# KiCad board reg.kicad_pcb (continued)
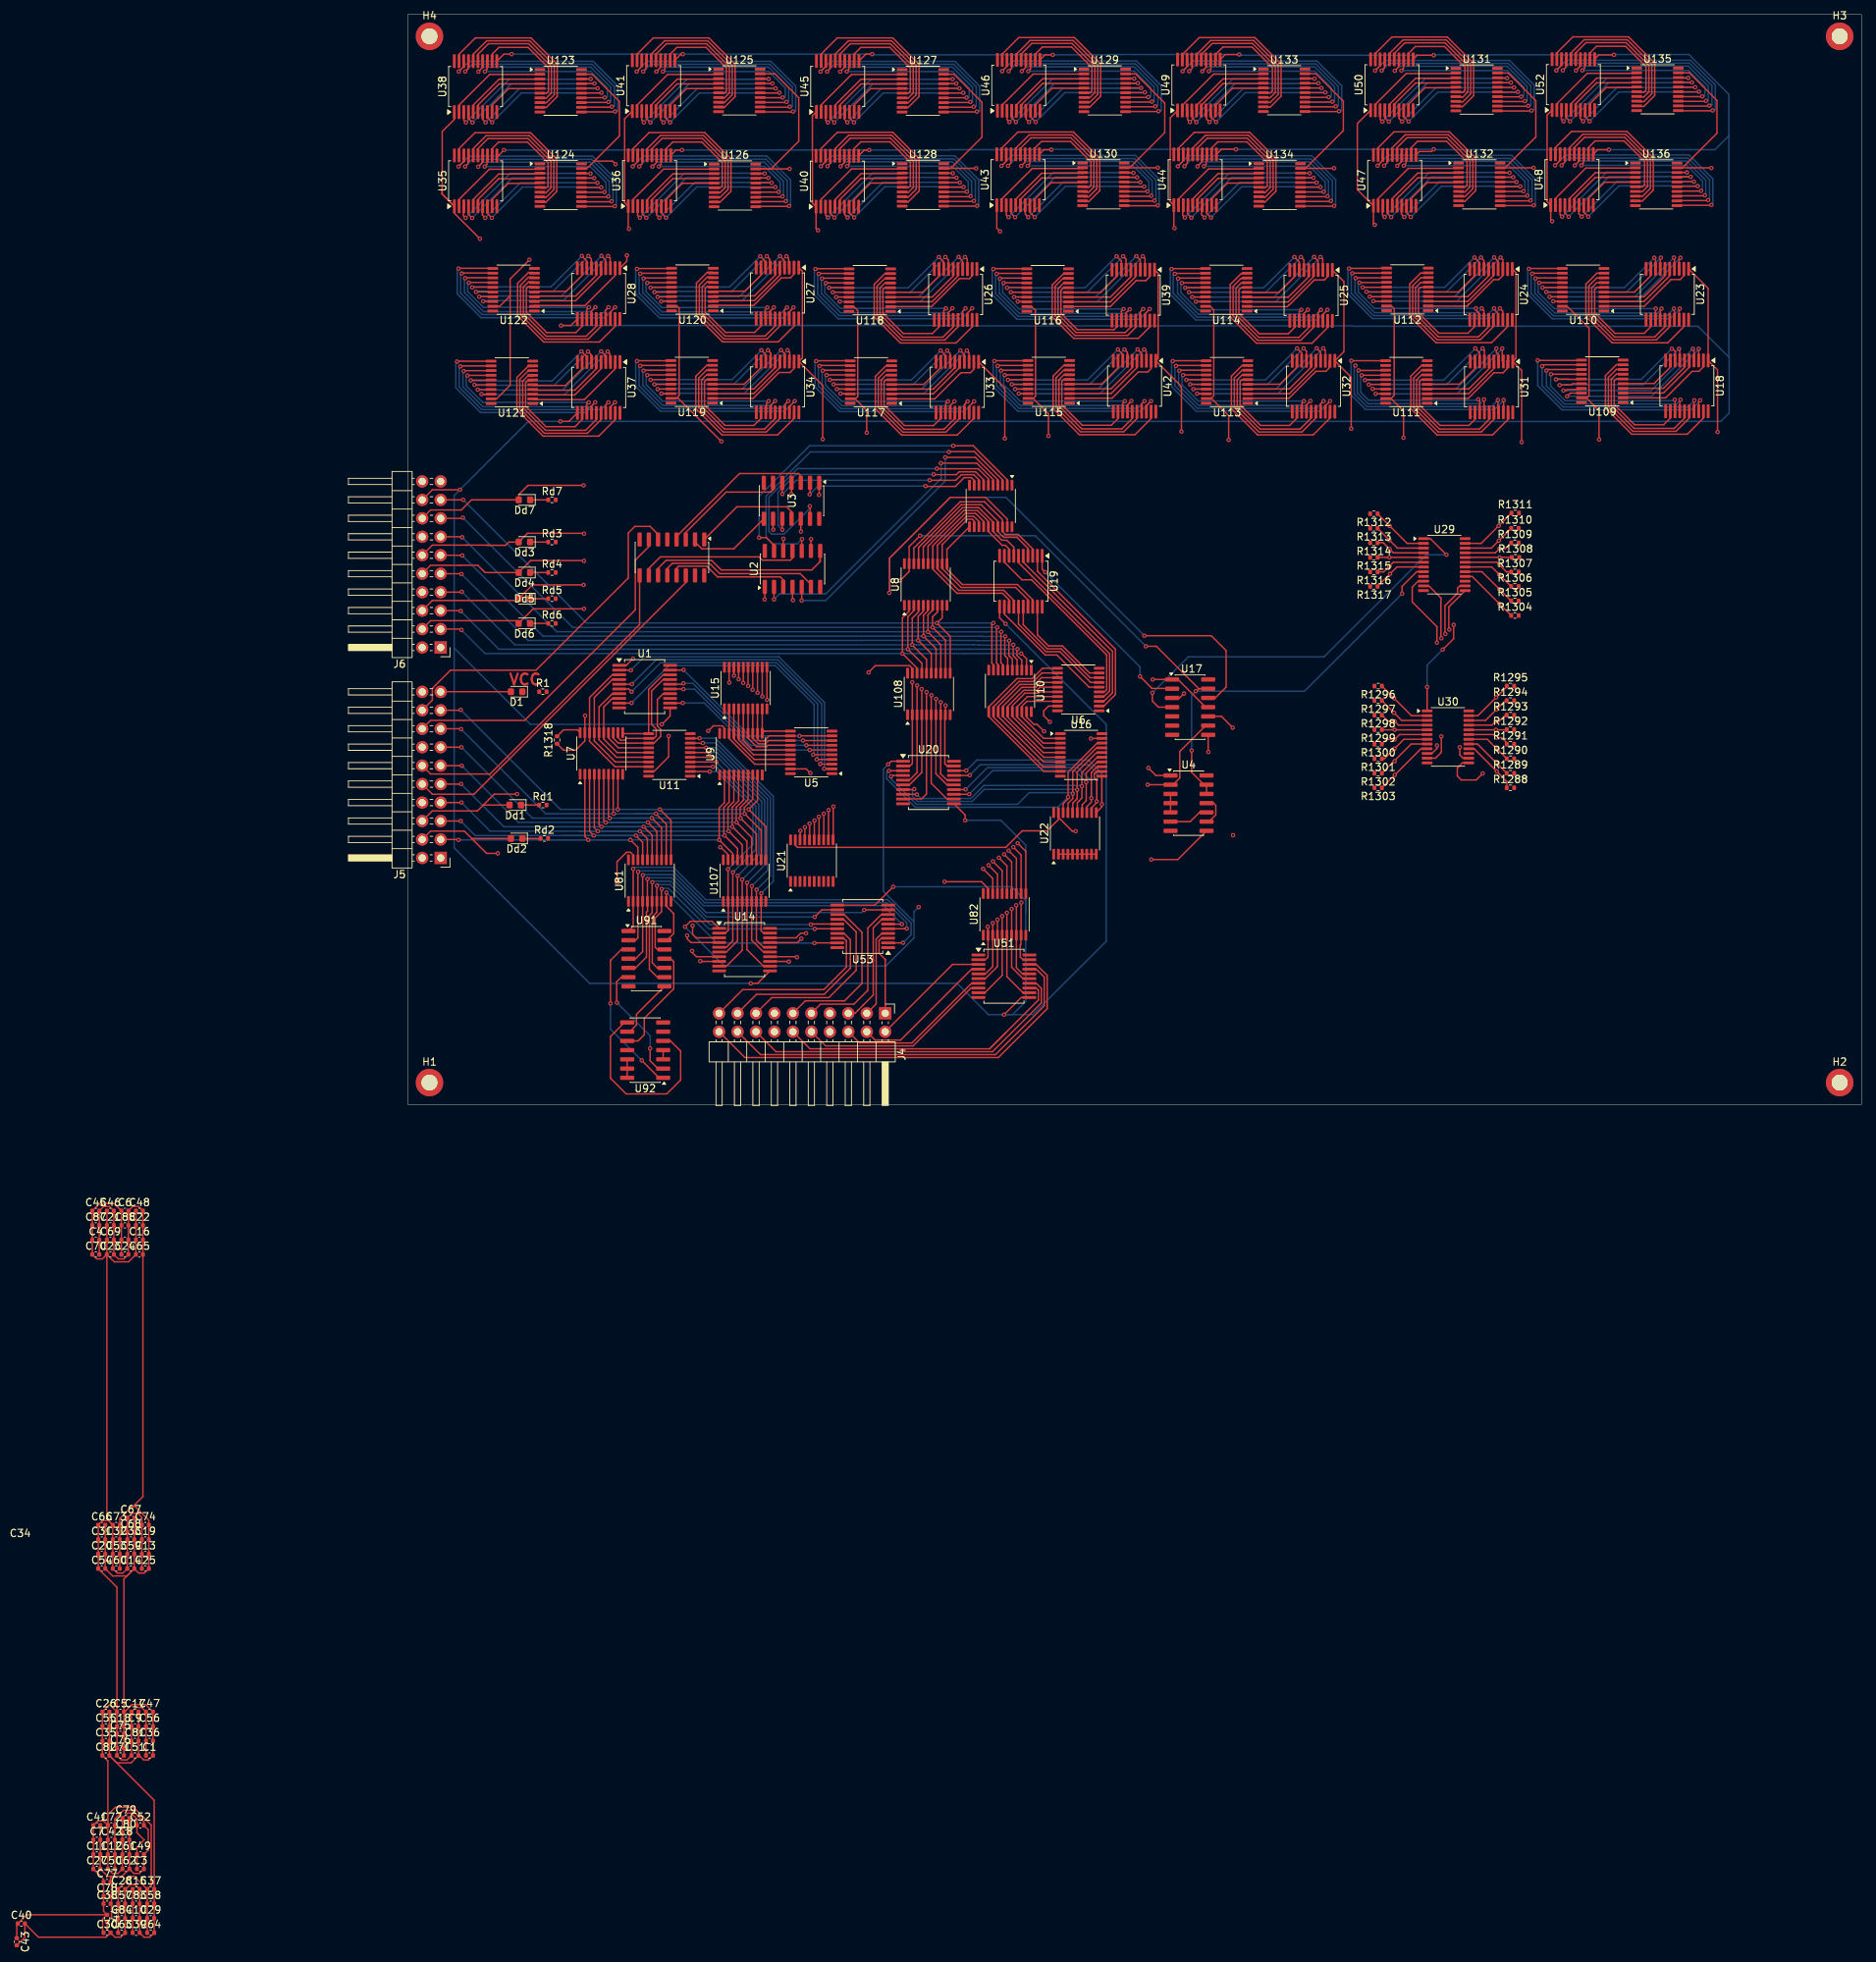
[diagram p0: board, top side]
## Routing (per net, layer and track width the routed paths; a pad name or vN(x,y) marks a point on that pad's centre or on a via; arc(x,y) is an arc through that point) (continued)
  In3.Cu w0.2: v1(7.44,114.36) 6.82,114.36 5.9,115.28 5.9,121.67 8.26,124.03 8.28,124.03 8.55,124.3 v1(28.05,124.3)
  In4.Cu w0.2: v1(7.6,80.75) 8.25,81.4 8.25,85 0.7,92.55 0.7,110.36 4.7,114.36 v1(7.44,114.36) 154.67,114.36 v1(154.69,114.34) ; v1(83.32,35.4) 83.31,35.41 83.31,54.6 72.26,65.65 v1(72.21,65.65) ; v1(178.91,124.46) 154.53,124.46 v1(154.49,124.42) 138.57,124.42 138.55,124.39 112.53,124.39 112.48,124.34 86.34,124.34 86.31,124.32 28.07,124.32 v1(28.05,124.3) ; 105.38,114.16 v1(105.53,114.31) ; 129.89,114.31 v1(129.95,114.37)
  Bottom w0.2: 31.97,114.42 31.83,114.28 31.83,111.63 34.78,108.68 51.18,108.68 v1(52.18,109.68) ; 154.54,124.45 154.68,124.59 154.68,127.24 151.72,130.19 135.33,130.19 v1(134.33,129.19) ; 77.96,124.38 78.1,124.52 78.1,127.17 75.14,130.12 58.75,130.12 v1(57.75,129.12) ; v1(7.6,80.75) 22.7,65.65 v1(72.21,65.65) 81.11,65.65 v1(81.11,65.66) ; v1(82.59,129.17) 83.59,130.17 99.99,130.17 102.94,127.22 102.94,124.57 102.8,124.43 ; 7.43,114.45 7.29,114.31 7.29,111.66 10.24,108.71 26.63,108.71 v1(27.63,109.71) ; v1(125.65,109.36) 124.65,108.36 108.6,108.36 105.31,111.64 105.31,114.09 v1(105.53,114.31) ; v1(81.02,114.31) 80.88,114.17 80.88,111.57 83.99,108.47 100.19,108.47 v1(101.19,109.47) ; v1(158.75,129.24) 159.75,130.24 176.14,130.24 179.1,127.29 179.1,124.64 178.96,124.5 ; v1(106.85,129.12) 107.85,130.12 124.24,130.12 127.2,127.17 127.2,124.51 127.06,124.37 ; 52.07,124.35 52.21,124.49 52.21,127.14 49.26,130.09 32.86,130.09 v1(31.86,129.09) ; v1(174.2,109.53) 173.2,108.53 157.62,108.53 154.55,111.59 154.55,114.2 v1(154.69,114.34) ; v1(129.95,114.37) 129.81,114.23 129.81,111.63 132.88,108.56 148.46,108.56 v1(149.46,109.56) ; v1(76.75,109.56) 75.75,108.56 59.36,108.56 56.41,111.51 56.41,114.17 v1(56.55,114.31) ; v1(7.9,129.07) 8.9,130.07 25.29,130.07 28.25,127.12 28.25,124.47 28.11,124.33
/data15: length 995.8
  Top w0.2: 27.86,107.93 27.86,109.04 v1(28.53,109.71) ; v1(133.43,129.19) 134.1,129.86 134.1,130.98 ; v1(103.19,123.73) 103.14,123.68 98.59,123.68 ; 125.88,107.58 125.88,108.69 v1(126.55,109.36) ; 52.41,107.89 52.41,109.01 v1(53.08,109.68) ; 31.63,130.88 31.63,129.76 v1(30.96,129.09) ; v1(28.5,123.63) 28.45,123.58 23.9,123.58 ; U23.18 174.92,109.44 v1(175,109.53) ; v1(154.25,115) 154.3,115.05 U110.11 ; v1(80.58,114.98) 80.63,115.03 85.18,115.03 ; v1(7,115.03) 7.05,115.08 11.6,115.08 ; U8.9 73.54,66.97 v1(72.81,66.25) 74.64,64.42 74.64,59.35 ; 57.52,130.91 57.52,129.79 v1(56.85,129.12) ; v1(154.93,123.75) 154.88,123.7 150.33,123.7 ; v1(105.09,114.97) 105.14,115.02 109.69,115.02 ; 101.42,107.68 101.42,108.8 v1(102.09,109.47) ; J6.17 v1(7.65,83.2) ; 158.52,131.02 158.52,129.91 v1(157.85,129.24) ; 73.75,123.63 78.3,123.63 v1(78.35,123.68) ; v1(179.35,123.8) 179.3,123.75 174.75,123.75 ; v1(127.45,123.67) 127.4,123.63 122.85,123.63 ; 150.66,107.91 150.66,109.16 v1(150.26,109.56) ; v1(105.95,129.12) 106.62,129.79 106.62,130.9 ; 129.46,115.01 129.51,115.06 134.06,115.06 ; 60.7,115.02 56.15,115.02 v1(56.1,114.97) ; 80.59,59.78 80.59,60.51 80.36,60.74 80.36,66.04 v1(80.58,66.25) ; v1(81.69,129.17) 82.36,129.84 82.36,130.96 ; v1(77.65,109.56) 76.98,108.89 76.98,107.78 ; v1(83.91,35.95) 85.04,34.82 U82.11 ; v1(52.46,123.65) 52.42,123.6 47.86,123.6 ; 7.67,130.86 7.67,129.74 v1(7,129.07) ; 36.15,115.04 31.59,115.04 v1(31.54,114.99)
  In3.Cu w0.2: v1(7,115.03) 6.3,115.73 6.3,121.5 8.43,123.63 v1(28.5,123.63)
  In4.Cu w0.2: v1(28.5,123.63) 57.96,123.63 58.01,123.68 86.78,123.68 86.83,123.73 112.98,123.73 113.03,123.67 139.05,123.67 139.12,123.75 167.4,123.75 ; v1(179.35,123.8) 179.3,123.75 v1(154.93,123.75) ; v1(72.81,66.25) 83.91,55.15 v1(83.91,35.95) ; 104.94,114.83 v1(105.09,114.97) 105.15,115.04 ; v1(7.65,83.2) 7.8,83.35 7.8,84.85 0.3,92.35 0.3,111.07 4.26,115.03 v1(7,115.03) 154.25,115.03
  Bottom w0.2: 154.98,123.78 155.14,123.94 155.14,127.35 151.85,130.63 134.87,130.63 v1(133.43,129.19) ; v1(80.58,114.98) 80.42,114.82 80.42,111.46 83.82,108.07 100.69,108.07 v1(102.09,109.47) ; 103.24,123.76 103.4,123.92 103.4,127.33 100.12,130.61 83.13,130.61 v1(81.69,129.17) ; 80.6,66.24 80.59,66.25 v1(72.81,66.25) 24.6,66.25 v1(7.65,83.2) ; v1(56.85,129.12) 58.29,130.56 75.27,130.56 78.56,127.28 78.56,123.87 78.4,123.71 ; v1(77.65,109.56) 76.22,108.12 59.23,108.12 55.95,111.41 55.95,114.81 v1(56.1,114.97) ; v1(28.53,109.71) 27.1,108.27 10.11,108.27 6.83,111.56 6.83,114.96 6.98,115.12 ; v1(150.26,109.56) 150.26,109.51 148.91,108.16 132.71,108.16 129.35,111.52 129.35,114.88 v1(129.51,115.04) ; v1(175,109.53) 175,109.48 173.65,108.12 157.46,108.12 154.09,111.49 154.09,114.85 v1(154.25,115) ; 179.4,123.83 179.56,123.99 179.56,127.39 176.27,130.68 159.29,130.68 v1(157.85,129.24) ; 31.53,115.09 31.37,114.93 31.37,111.52 34.65,108.24 51.64,108.24 v1(53.08,109.68) ; v1(105.95,129.12) 107.39,130.55 124.37,130.55 127.66,127.27 127.66,123.86 127.5,123.71 ; v1(7,129.07) 8.44,130.51 25.42,130.51 28.71,127.23 28.71,123.82 28.55,123.66 ; v1(126.55,109.36) 125.15,107.96 108.43,107.96 104.91,111.48 104.91,114.8 v1(105.09,114.97) ; 52.51,123.68 52.67,123.84 52.67,127.25 49.39,130.53 32.4,130.53 v1(30.96,129.09)
/ID_REG_SEL_0: length 177.1
  Top w0.2: J6.4 3.15,66.57 14.89,66.57 Dd6.2 17.26,68.2 24.25,68.2 v1(24.25,68.2) ; v1(141.6,63.55) 141.6,65.75 138.2,69.15 138.2,71.2 139.01,72.01 U29.10 140.41,72.01 ; v1(141.6,49.4) 141.6,48.99 140.91,48.3 U30.10
  In2.Cu w0.2: v1(141.6,49.4) v1(141.6,63.55)
  In3.Cu w0.2: v1(24.25,68.2) 31.85,75.8 97.14,75.8 109.39,63.55 v1(141.6,63.55)
/ID_REG_SEL_1: length 175.6
  Top w0.2: U29.11 140.49,71.36 142.15,69.7 142.15,64.2 v1(142.2,64.15) ; J6.6 3.39,69.35 15.01,69.35 ; Dd5.2 17.16,71.5 v1(24.2,71.5) ; U30.11 141.4,47.65 142.2,48.45 v1(142.2,50.65)
  In2.Cu w0.2: v1(142.2,50.65) 143.05,51.5 143.05,63.3 v1(142.2,64.15)
  In3.Cu w0.2: v1(142.2,64.15) 109.9,64.15 97.85,76.2 31.68,76.2 31.48,76 28.7,76 v1(24.2,71.5)
/ID_REG_SEL_2: length 175.1
  Top w0.2: J6.10 3.15,74.19 7.21,74.19 7.22,74.2 9.65,74.2 10.65,73.2 Dd4.2 16.92,74.85 24.2,74.85 v1(24.25,74.8) ; v1(144.75,49.16) 144.75,48.09 145.18,47.65 U30.14 ; v1(142.75,64.75) 142.7,64.8 142.7,68.63 144.44,70.37 144.44,71.06 144.74,71.36 U29.14
  In2.Cu w0.2: v1(144.75,49.16) 144.75,49.16 144.75,62.75 v1(142.75,64.75)
  In3.Cu w0.2: v1(24.25,74.8) 25.65,76.2 28.33,76.2 28.53,76.4 31.32,76.4 31.52,76.6 98.6,76.6 110.4,64.8 142.7,64.8 v1(142.75,64.75)
/ID_REG_SEL_3: length 183.7
  Top w0.2: 8,76.97 11.08,76.97 11.1,76.95 ; 8,76.97 8.17,76.97 8.19,76.95 ; 8,76.97 3.39,76.97 J6.12 ; 11.1,76.95 13.48,76.95 13.92,77.4 Dd3.2 16.48,78.61 24.19,78.61 v1(24.25,78.55) ; 11.1,76.95 10.86,76.95 ; U30.13 145.1,47 144.4,46.3 144.4,45.2 144.95,44.65 147,44.65 v1(147.9,45.55) ; v1(143.3,65.35) 143.24,65.41 143.24,68.47 U29.13
  In2.Cu w0.2: v1(147.9,45.55) 147.9,60.75 v1(143.3,65.35)
  In3.Cu w0.2: v1(143.3,65.35) 111,65.35 99.35,77 31.35,77 31.2,76.85 25.95,76.85 v1(24.25,78.55)
/INT: length 49.9
  Top w0.2: U85.14 38.26,71.83 9.12,42.69 3.39,42.69 J5.10
/Interupt_ID_0: length 45.7
  Top w0.2: J5.12 3.15,45.47 11.34,45.47 31.91,66.04 U85.9
/Interupt_ID_1: length 46.6
  Top w0.2: U85.7 33.18,76.78 31.31,74.91 31.31,68.06 16.1,52.85 3.15,52.85 J5.16
/Interupt_ID_2: length 48.7
  Top w0.2: U85.6 34.45,78.45 33.35,79.55 31.25,79.55 30.35,78.65 30.35,72.45 17.66,59.76 5.89,59.76 3.39,57.26 3.39,55.63 J5.18
/IO0: length 11.7
  Top w0.2: J4.1 65.7,19.9 65.7,19.9 65.7,19.95 64.85,20.8 64.85,22.55 65.17,22.88 U53.3
/IO1: length 12.7
  Top w0.2: J4.3 64.45,13.83 64.45,22.75 65.22,23.53 U53.4
/IO2: length 16.7
  Top w0.2: U53.7 65.23,25.47 64.05,24.29 64.05,20 ; J4.5 61.54,12.54 62.01,13.01 62.01,13.02 62.68,13.69 62.69,13.69 64.05,15.05 64.05,20 ; 64.05,20 64.05,19.75 64.05,19.9
/IO3: length 21.2
  Top w0.2: U53.8 65.15,26.12 63.3,24.27 63.3,15.7 61.4,13.8 56.8,13.8 J4.9
/IO4: length 22.6
  Top w0.2: J4.11 54.71,14.25 60.1,14.25 62.5,16.65 62.5,19.95 62.5,23.68 60.05,26.12 U53.13
/IO5: length 24.8
  Top w0.2: J4.15 50.08,14.7 57.95,14.7 61.7,18.45 61.7,23.74 59.97,25.47 U53.14
/IO6: length 24.2
  Top w0.2: J4.17 47.99,15.15 57.3,15.15 60.9,18.75 60.9,22.67 60.05,23.53 U53.17
/IO7: length 25.1
  Top w0.2: U53.18 59.97,22.88 60.35,22.49 60.35,18.9 57.25,15.8 46.1,15.8 J4.19
/IO8: length 17.5
  Top w0.2: 77.66,19.26 U51.3 74.96,19.26 J4.2
/IO9: length 19.9
  Top w0.2: U51.4 77.58,18.61 67.81,8.85 64.31,8.85 J4.4
/IO10: length 21.9
  Top w0.2: J4.6 62.17,8.45 69.36,8.45 77.58,16.66 U51.7
/IO11: length 27.1
  Top w0.2: U51.8 77.49,16.01 69.53,8.05 57.49,8.05 J4.10
/IO12: length 43.5
  Top w0.2: U51.13 86.47,16.01 86.77,15.71 86.77,14.36 80.06,7.65 ; J4.12 55.35,7.65 80.06,7.65 ; 80.06,7.65 82.36,9.95
/IO13: length 47.1
  Top w0.2: U51.14 86.47,16.66 87.17,15.96 87.17,13.96 80.46,7.25 50.67,7.25 J4.16
/IO14: length 52.7
  Top w0.2: U51.17 86.47,18.61 87.57,17.51 87.57,13.56 80.86,6.85 48.53,6.85 J4.18
/IO15: length 57.1
  Top w0.2: U51.18 86.47,19.26 87.97,17.76 87.97,13.16 81.26,6.45 46.39,6.45 J4.20
/mask_restore: length 186
  Top w0.2: v1(87.55,51.35) 86.6,52.3 86.15,52.3 85.14,53.31 U10.19 ; 43.58,51.06 43.58,51.8 43.27,52.1 42.05,52.1 v1(41.35,51.4) ; 8.8,36.6 10.85,34.55 v1(12.4,34.55) ; 8.8,36.6 7.79,37.61 3.15,37.61 J5.4 ; 8.8,36.6 Dd2.2 ; v1(101.8,44) U4.2 105.3,44 106.22,44.93 106.22,48.58 109.78,52.13 U17.9
  In3.Cu w0.2: 77.7,38.35 87.6,48.25 87.6,51.3 v1(87.55,51.35) ; 77.7,38.35 73.9,34.55 v1(12.4,34.55) 21.32,34.55 38.17,51.4 v1(41.35,51.4) ; 77.7,38.35 84.5,45.15 98.05,45.15 99.2,44 v1(101.8,44)
/mask_save: length 147
  Top w0.2: v1(15.05,42.7) 11.9,42.7 10.4,41.2 ; v1(101.9,46.3) 102.93,45.27 U4.1 ; U15.19 44.22,58.08 v1(44.25,58.05) ; v1(94,50.35) 94.03,50.38 U16.19 ; U17.11 109.78,54.67 105.97,58.48 U17.1 v1(102.5,58.48) ; 10.4,41.2 9.59,40.39 3.39,40.39 J5.6 ; 10.4,41.2 Dd1.2
  In3.Cu w0.2: v1(44.25,58.05) 28.9,42.7 v1(15.05,42.7) ; v1(44.25,58.05) 44.1,58.2 ; v1(44.25,58.05) 44.25,59.2 45.1,60.05 84.3,60.05 v1(94,50.35) ; v1(94,50.35) 102.13,58.48 v1(102.5,58.48) ; v1(94,50.35) 97.85,50.35 v1(101.9,46.3)
/mask_saved0: length 41.8
  Top w0.2: v1(57.3,46.2) 57.33,46.17 U5.2 ; U1.2 30.67,59.78 v1(30.7,59.75)
  Bottom w0.2: v1(30.7,59.75) 32.55,61.6 51.05,61.6 57.35,55.3 57.35,46.25 v1(57.3,46.2)
/mask_saved1: length 41.8
  Top w0.2: v1(56.75,46.85) 56.78,46.83 U5.3 ; v1(30.85,57.85) 30.83,57.83 U1.5
  Bottom w0.2: v1(30.85,57.85) 34.2,61.2 50.88,61.2 56.95,55.13 56.95,47.05 v1(56.75,46.85)
/mask_saved2: length 41.3
  Top w0.2: U5.4 56.28,47.47 v1(56.27,47.49) ; U1.6 30.42,57.17 v1(30.8,56.8)
  Bottom w0.2: v1(56.27,47.49) 56.39,47.61 56.39,55.13 50.72,60.8 34.8,60.8 v1(30.8,56.8)
/mask_saved3: length 40.7
  Top w0.2: v1(55.79,48.13) 55.8,48.12 U5.5 ; U1.9 30.77,55.22 v1(30.8,55.25)
  Bottom w0.2: v1(30.8,55.25) 35.95,60.4 50.55,60.4 55.91,55.04 55.91,48.25 v1(55.79,48.13)
/mask_saved4: length 25
  Top w0.2: U1.12 37.83,55.22 v1(37.85,55.25) ; v1(55.31,48.77) 55.31,48.78 U5.6
  Bottom w0.2: v1(55.31,48.77) 47.28,48.77 40.8,55.25 v1(37.85,55.25)
/mask_saved5: length 25.5
  Top w0.2: v1(54.85,49.42) 54.85,49.42 U5.7 ; U1.15 37.92,57.17 v1(37.95,57.15)
  Bottom w0.2: v1(37.95,57.15) 39.47,57.15 47.2,49.42 v1(54.85,49.42)
/mask_saved6: length 25.6
  Top w0.2: v1(54.39,50.08) 54.4,50.08 U5.8 ; v1(37.95,57.95) 37.82,57.83 U1.16
  Bottom w0.2: v1(54.39,50.08) 47.1,50.08 39.23,57.95 v1(37.95,57.95)
/mask_saved7: length 26.1
  Top w0.2: U1.19 37.92,59.78 v1(37.95,59.8) ; 58.38,50.72 53.91,50.72 v1(53.89,50.71)
  Bottom w0.2: v1(37.95,59.8) 47.04,50.71 v1(53.89,50.71)
/mask_saved8: length 26.4
  Top w0.2: U6.2 95.78,54.83 97.36,56.41 97.36,62.65 86.64,73.38 U19.2
/mask_saved9: length 26.3
  Top w0.2: U6.3 95.78,55.47 96.96,56.66 96.96,62.36 84.69,74.63 U19.5
/mask_saved10: length 25.5
  Top w0.2: U6.4 95.78,56.12 96.56,56.91 96.56,62.03 84.04,74.55 U19.6
/mask_saved11: length 26.2
  Top w0.2: U19.9 82.09,74.62 84.51,72.2 85.82,72.2 96.16,61.86 96.16,57.08 95.86,56.78 95.12,56.78
/mask_saved12: length 18.2
  Top w0.2: U6.6 93.74,57.42 89.31,61.85 87.71,61.85 82.09,67.47 U19.12
/mask_saved13: length 16.8
  Top w0.2: U19.15 84.04,66.09 87.83,62.3 89.74,62.3 93.97,58.08 95.12,58.08
/mask_saved14: length 15.9
  Top w0.2: U19.16 84.69,66.01 87.99,62.7 89.91,62.7 93.88,58.72 U6.8
/mask_saved15: length 14.5
  Top w0.2: U19.19 86.64,64.62 88.16,63.1 90.08,63.1 93.8,59.38 U6.9
/octal_nand/out_0: length 22.7
  Top w0.2: U2.11 52.94,75.2 52.64,74.9 48.79,74.9 48.34,75.35 34.75,75.35 33.18,73.77 U85.10
/octal_nand/out_1: length 26.6
  Top w0.2: U2.8 56.75,74.72 55.58,73.55 43.13,73.55 41.8,74.88 35.55,74.88 34.45,73.77 U85.11 ; 56.75,74.67 56.75,75.08
/octal_nand/out_2: length 22.6
  Top w0.2: 55.48,71.22 55.48,71.57 54,73.05 42.93,73.05 41.5,74.47 36.42,74.47 35.72,73.77 U85.12
/octal_nand/out_3: length 17.5
  Top w0.2: 51.67,71.22 51.67,72.2 51.27,72.6 42.62,72.6 41.14,74.08 37.29,74.08 36.99,73.77 U85.13
/octal_nand/out_4: length 15.1
  Top w0.2: U85.1 45.3,82.25 52.13,82.25 52.81,81.57 U3.11
/octal_nand/out_5: length 11.9
  Top w0.2: U3.8 44.87,76.47 40.46,76.47 39.53,77.4 U85.2
/octal_nand/out_6: length 16.4
  Top w0.2: U85.3 38.26,78.72 43.81,84.28 49.97,84.28 50.27,84.58 U3.6
/octal_nand/out_7: length 22.2
  Top w0.2: U3.3 54.08,86.52 53.78,86.83 45.65,86.83 36.99,78.16 U85.4
/OUT_1_2: length 84.7
  Top w0.2: U23.1 178.91,112.31 U18.1 180.2,101.1 v1(180.2,92.55) ; R1317.1 133.43,71.31 v1(135.15,73.03) 136.09,73.96 U29.7
  In2.Cu w0.2: v1(180.2,92.55) 177.3,89.65 159.05,89.65 144.15,74.75 143.05,74.75 141.32,73.03 v1(135.15,73.03)
/OUT_1_3: length 56.8
  Top w0.2: U24.1 152.46,114.47 152.46,102.69 U31.1 153.25,101.03 v1(153.25,91.15) ; U29.6 135.59,74.61 v1(135.07,74.1) 134.26,73.29 R1316.1
  In2.Cu w0.2: v1(135.07,74.1) 148.97,88 150.1,88 v1(153.25,91.15)
/OUT_1_4: length 54.4
  Top w0.2: U25.1 128.8,113.25 128.8,103.59 U32.1 129.8,100.09 v1(129.8,93) ; 139.81,75.29 v1(135.06,75.29) 133.41,75.29
  In2.Cu w0.2: v1(129.8,93) 129.8,92.08 140.05,81.83 140.05,80.55 135.06,75.56 v1(135.06,75.29)
/OUT_1_5: length 75.8
  Top w0.2: U29.4 135.61,75.91 v1(135.09,76.44) 134.21,77.31 133.46,77.31 R1314.1 ; U39.1 103.25,114.38 103.25,102.67 U42.1 106.45,98.82 v1(106.45,92.6)
  In2.Cu w0.2: v1(106.45,92.6) 110,89.05 132.27,89.05 139.65,81.67 139.65,81 v1(135.09,76.44)
/OUT_1_6: length 84.7
  Top w0.2: U33.1 82.15,98.59 v1(82.15,91.65) ; U29.3 136.16,76.56 v1(135.06,77.66) R1313.1
  In2.Cu w0.2: v1(135.06,77.66) 137.25,79.85 137.25,83.5 132.95,87.8 85.95,87.8 82.15,91.6 v1(82.15,91.65)
/OUT_1_7: length 116.4
  Top w0.2: U27.1 54.3,114.67 54.3,102.73 U34.1 57.1,98.96 v1(57.1,91.55) ; R1312.1 v1(135.11,79.61) 137.51,77.21 U29.2
  In2.Cu w0.2: v1(57.1,91.55) 69.04,79.61 v1(135.11,79.61)
/OUT_1_8: length 219.8
  Top w0.2: U29.23 147.68,77.21 v1(150.08,79.62) R1311.1 ; U28.1 30.15,116.05 v1(30.15,116.85)
  In2.Cu w0.2: v1(150.08,79.62) 159.72,89.25 177.95,89.25 181.1,92.4 181.1,112.1 175.6,117.6 30.85,117.6 30.15,116.9 v1(30.15,116.85)
/OUT_1_9: length 262.8
  Top w0.2: U35.1 6.42,122.66 v1(9.94,119.14) ; U35.1 4.75,125.28 4.75,133.9 6.42,135.57 U38.1 ; U35.1 4.7,125.33 4.7,126.05 ; U29.22 149.09,76.56 v1(150.11,77.59) R1310.1
  In2.Cu w0.2: v1(9.94,119.14) 11.08,118 175.77,118 181.5,112.27 181.5,92.23 177.67,88.4 160.93,88.4 v1(150.11,77.59)
/OUT_1_10: length 237.1
  Top w0.2: v1(30.45,120.5) 30.35,120.6 U36.1 29.85,124.13 29.85,135.64 U41.1 ; U29.21 149.64,75.91 v1(150.21,76.49) 151.01,76.49 R1309.1
  In2.Cu w0.2: v1(150.21,76.49) 161.72,88 177.83,88 181.9,92.07 181.9,112.43 175.93,118.4 32.55,118.4 v1(30.45,120.5)
/OUT_1_11: length 212
  Top w0.2: U29.20 145.5,75.29 v1(150.21,75.29) R1308.1 ; U45.1 55.68,136.05 55.68,124.06 U40.1 56.18,120.57 v1(56.45,120.3)
  In2.Cu w0.2: v1(150.21,75.29) 162.53,87.6 178,87.6 182.3,91.9 182.3,112.6 176.1,118.8 57.95,118.8 v1(56.45,120.3)
/OUT_1_12: length 175.7
  Top w0.2: U29.19 149.84,74.61 v1(150.21,74.24) 151.16,73.29 R1307.1 ; U43.1 81.05,120.6 v1(81.5,120.15)
  In2.Cu w0.2: v1(150.21,74.24) 163.18,87.2 178.16,87.2 182.7,91.74 182.7,112.76 176.26,119.2 82.4,119.2 81.5,120.1 v1(81.5,120.15)
/OUT_1_13: length 167.1
  Top w0.2: R1306.1 v1(150.16,72.94) 149.14,73.96 U29.18 ; U49.1 104.91,135.79 104.91,124.25 U44.1 105.41,120.69 v1(105.5,120.6)
  In2.Cu w0.2: v1(105.5,120.6) 106.5,119.6 176.43,119.6 183.1,112.93 183.1,91.57 178.33,86.8 164.03,86.8 v1(150.16,72.94)
/OUT_1_14: length 142.8
  Top w0.2: U50.1 130.65,135 130.65,125.89 U47.1 132.86,121.24 v1(133.05,121.05) ; U29.17 147.79,73.31 v1(150.16,70.94) R1305.1
  In2.Cu w0.2: v1(133.05,121.05) 134.1,120 176.59,120 183.5,113.09 183.5,91.41 178.39,86.3 165.53,86.3 v1(150.16,70.94)
/OUT_1_15: length 119.3
  Top w0.2: U52.1 156.75,136.16 156.75,124.28 U48.1 157.25,121.75 v1(157.45,121.55) ; U29.16 146.44,72.66 v1(150.16,68.94) R1304.1
  In2.Cu w0.2: v1(150.16,68.94) 167.12,85.9 178.56,85.9 183.9,91.24 183.9,113.26 176.76,120.4 158.6,120.4 v1(157.45,121.55)
/OUT_5_0: length 55.6
  Top w0.2: U53.2 68.12,22.22 v1(68.15,22.25) ; U91.1 31.02,24.51 U81.2 31.02,32.41 v1(31.01,32.43)
  Bottom w0.2: v1(68.15,22.25) 69.25,23.35 69.25,24.96 66.06,28.15 41.03,28.15 36.57,32.61 31.2,32.61 v1(31.01,32.43)
/OUT_5_1: length 53.9
  Top w0.2: v1(31.69,32.01) 31.67,31.99 U81.3 31.67,22.92 31.35,22.59 U91.2 ; U53.5 68.33,24.18 68.35,24.2 v1(68.65,24.2)
  Bottom w0.2: v1(68.65,24.2) 68.65,25 65.9,27.75 40.86,27.75 36.46,32.15 31.84,32.15 v1(31.69,32.01)
/OUT_5_2: length 53.3
  Top w0.2: v1(68,24.8) 66.12,24.8 U53.6 ; U91.4 31.35,20.05 32.33,21.03 U81.4 32.33,31.53 v1(32.35,31.55)
  Bottom w0.2: v1(68,24.8) 65.45,27.35 40.7,27.35 36.42,31.63 32.43,31.63 v1(32.35,31.55)
/OUT_5_3: length 49.2
  Top w0.2: U91.5 31.35,18.78 32.85,20.28 32.85,26.45 33,26.6 33,27.91 32.98,27.94 32.98,31.02 v1(32.98,31.03) ; v1(62.8,26.75) 62.83,26.78 U53.9
  Bottom w0.2: v1(62.8,26.75) 62.45,26.4 41.08,26.4 36.3,31.19 33.14,31.19 v1(32.98,31.03)
/OUT_5_4: length 42.6
  Top w0.2: U91.9 34.35,17.51 33.25,18.61 33.25,25.98 33.62,26.36 U81.6 33.62,30.56 v1(33.65,30.59) ; v1(56,25.8) 56.97,26.78 U53.12
  Bottom w0.2: v1(33.65,30.59) 33.77,30.71 36.21,30.71 41.12,25.8 v1(56,25.8)
/OUT_5_5: length 40
  Top w0.2: v1(55.47,24.75) 55.6,24.75 55.67,24.82 U53.15 ; v1(34.29,30.11) 34.27,30.09 U81.7 34.27,26.44 33.65,25.82 33.65,19.48 34.35,18.78 U91.10
  Bottom w0.2: v1(55.47,24.75) 41.6,24.75 36.1,30.25 34.44,30.25 v1(34.29,30.11)
/OUT_5_6: length 36.3
  Top w0.2: U91.12 34.35,21.32 34.05,21.62 34.05,25.65 34.92,26.53 U81.8 34.92,29.62 v1(34.95,29.65) ; U53.16 56.08,24.18 56.05,24.15 v1(56,24.15)
  Bottom w0.2: v1(34.95,29.65) 35.05,29.75 35.85,29.75 41.45,24.15 v1(56,24.15)
/OUT_5_7: length 34.1
  Top w0.2: U53.19 55.97,22.22 v1(55.95,22.2) ; v1(35.6,29.15) 35.58,29.12 35.58,27.28 36.6,26.26 36.6,23.52 35.67,22.59 U91.13
  Bottom w0.2: v1(35.6,29.15) 42.55,22.2 v1(55.95,22.2)
/OUT_5_8: length 78.1
  Top w0.2: v1(51.7,77.85) 51.67,77.82 U2.12 ; v1(79.8,24.45) 79.84,24.41 U82.2 79.84,20.28 79.47,19.91 U51.2 ; U51.2 77.66,19.91 ; U51.2 79.39,19.91
  In4.Cu w0.2: v1(51.7,77.85) 48.1,74.25 48.1,69 52.2,64.9 52.2,50.35 78.1,24.45 v1(79.8,24.45)
/OUT_5_9: length 79
  Top w0.2: v1(80.5,24.95) 80.49,24.94 U82.3 80.49,18.98 79.47,17.96 U51.5 ; v1(55.5,77.8) 55.48,77.78 U2.9
  In4.Cu w0.2: v1(80.5,24.95) 80.5,25.5 52.6,53.4 52.6,65.1 48.5,69.2 48.5,70.8 v1(55.5,77.8)
/OUT_5_10: length 67.2
  Top w0.2: v1(81.14,25.43) 81.14,25.43 U82.4 81.14,18.98 79.47,17.31 U51.6 ; 52.94,71.22 52.94,69.46 v1(53,69.4)
  In4.Cu w0.2: v1(53,69.4) 53,53.57 v1(81.14,25.43)
/OUT_5_11: length 82.3
  Top w0.2: v1(49.1,69.5) 49.13,69.53 49.13,71.22 ; v1(81.78,25.91) 81.79,25.9 U82.5 81.79,17.76 79.39,15.36 U51.9 79.47,15.36
  In4.Cu w0.2: v1(49.1,69.5) 53.4,73.8 55.95,73.8 56.85,72.9 56.85,50.84 v1(81.78,25.91)
/OUT_5_12: length 80.2
  Top w0.2: U51.12 84.66,15.36 82.44,17.58 U82.6 82.44,26.37 v1(82.43,26.37) ; U3.12 54.08,78.87 v1(54.1,78.85)
  In4.Cu w0.2: v1(54.1,78.85) 56.5,78.85 57.25,78.1 57.25,51.56 v1(82.43,26.37)
/OUT_5_13: length 86.8
  Top w0.2: U51.15 84.66,17.31 83.09,18.88 U82.7 83.09,26.89 v1(83.1,26.9) ; U3.9 50.27,79.13 v1(50.3,79.1)
  In4.Cu w0.2: v1(83.1,26.9) 83.03,26.97 82.62,26.97 57.65,51.95 57.65,78.58 53.64,82.59 51.59,82.59 50.3,81.3 v1(50.3,79.1)
/OUT_5_14: length 82.3
  Top w0.2: v1(52.8,84) 52.81,84.01 U3.4 ; v1(83.71,27.41) 83.74,27.39 U82.8 83.74,18.8 84.58,17.96 U51.16
  In4.Cu w0.2: v1(52.8,84) 58.05,78.75 58.05,52.11 82.55,27.61 83.51,27.61 v1(83.71,27.41)
/OUT_5_15: length 79.1
  Top w0.2: v1(84.43,27.78) 84.39,27.73 U82.9 84.36,23.26 84.36,22.01 84.27,21.93 84.27,20.29 84.66,19.91 U51.19 ; U3.1 56.62,83.92 v1(56.6,83.9)
  In4.Cu w0.2: v1(56.6,83.9) 58.45,82.05 58.45,52.28 82.71,28.01 84.19,28.01 v1(84.43,27.78)
/OUT_7_0: length 137.1
  Top w0.2: U81.19 31.02,34.32 30.65,34.7 30.11,34.7 28.8,33.39 v1(28.8,30.45) ; U82.19 79.84,29.75 78.94,30.65 v1(73.85,30.65) ; U30.9 139.4,48.95 v1(135.8,45.35) R1303.1
  In2.Cu w0.2: v1(113.55,37.05) 121.85,45.35 v1(135.8,45.35)
  In3.Cu w0.2: v1(135.8,45.35) 135.68,45.47 ; v1(28.8,30.45) 30.8,28.45 71.65,28.45 v1(73.85,30.65) 80.2,37 113.5,37 v1(113.55,37.05)
/OUT_7_1: length 130.9
  Top w0.2: R1302.1 135.67,47.22 v1(135.78,47.22) 135.78,47.33 138.05,49.6 U30.8 ; U108.19 69.42,60.01 69.04,60.39 64.34,60.39 v1(63.4,59.45) ; 44.08,33.65 44.08,34.39 43.06,35.4 v1(43,35.4)
  In2.Cu w0.2: v1(63.4,59.45) 68.55,54.3 128.7,54.3 v1(135.78,47.22)
  In3.Cu w0.2: v1(63.4,59.45) 61.7,57.75 57.7,57.75 41.5,41.55 41.5,36.9 v1(43,35.4)
/OUT_7_2: length 84
  Top w0.2: v1(163.9,91.5) 163.9,95.48 162.14,97.24 U109.19 162.22,97.24 162.52,97.54 162.52,106.84 159.51,109.85 U110.19 ; R1301.1 134.38,47.58 v1(135.78,48.97) 137.05,50.25 U30.7
  In3.Cu w0.2: v1(135.78,48.97) 135.79,48.97 163.9,77.08 v1(163.9,91.5)
/OUT_7_3: length 85.5
  Top w0.2: 135.27,97.15 135.71,97.59 135.71,109.52 135.33,109.9 U112.19 ; 135.27,97.15 U111.19 ; 135.27,97.15 137,95.42 v1(137,91.75) ; R1300.1 134.67,50.22 v1(135.78,50.22) 136.45,50.9 U30.6
  In3.Cu w0.2: v1(135.78,50.22) 136.47,50.22 152.88,66.63 152.88,80.21 148.1,85 143.75,85 v1(137,91.75)
/OUT_7_4: length 108.5
  Top w0.2: R1299.1 134.05,51.55 v1(135.78,51.55) U30.5 ; U114.19 110.41,109.84 110.89,109.36 110.89,97.53 110.51,97.15 U113.19 110.59,97.15 112.95,94.79 v1(112.95,91.45)
  In3.Cu w0.2: v1(112.95,91.45) 113,91.45 119.85,84.6 147.93,84.6 152.48,80.05 152.48,66.8 137.23,51.55 v1(135.78,51.55)
/OUT_7_5: length 131.9
  Top w0.2: R1298.1 134.87,52.72 v1(135.78,52.72) 136.3,52.2 U30.4 ; U116.19 85.84,109.8 86.37,109.27 86.37,97.47 86.07,97.17 U115.19 86.03,97.17 88.15,95.05 v1(88.15,92)
  In3.Cu w0.2: v1(88.15,92) 95.95,84.2 147.77,84.2 151.95,80.02 151.95,66.83 137.84,52.72 v1(135.78,52.72)
/OUT_7_6: length 156.8
  Top w0.2: U118.19 61.37,109.79 61.91,109.25 61.91,97.43 61.61,97.12 U117.19 61.53,97.12 63.15,95.51 v1(63.15,92.45) ; U30.3 136.75,52.85 v1(135.7,53.9) R1297.1
  In3.Cu w0.2: v1(135.7,53.9) 138.45,53.9 151.55,67 151.55,79.85 147.6,83.8 69.55,83.8 63.15,90.2 v1(63.15,92.45)
/OUT_7_7: length 177.2
  Top w0.2: v1(43.15,91.25) 37.23,97.17 U119.19 36.96,97.17 37.35,97.57 37.35,109.57 37.05,109.87 U120.19 ; U30.2 138.1,53.5 v1(135.7,55.9) R1296.1
  In3.Cu w0.2: v1(43.15,91.25) 53.28,81.12 149.68,81.12 151.15,79.65 151.15,67.16 139.89,55.9 v1(135.7,55.9)
/OUT_7_8: length 271.9
  Top w0.2: U30.23 147.24,53.5 v1(149.74,56.01) 151.2,57.47 151.2,57.78 ; 14.1,111.28 14.1,113.6 v1(16.75,116.25) ; 14.1,111.28 14.1,98.98 12.22,97.1 U121.19 ; 14.1,111.28 12.67,109.85 U122.19
  In3.Cu w0.2: v1(149.74,56.01) 156.2,56.01 181.1,80.91 181.1,112.1 175.68,117.52 18.02,117.52 v1(16.75,116.25)
/OUT_7_9: length 262.4
  Top w0.2: v1(28.6,129.4) 28.17,129.83 25.67,129.83 ; U124.19 24.65,128.81 25.67,129.83 ; 25.67,129.83 29.13,133.29 29.13,138.03 25.38,141.78 U123.19 ; U30.22 148.28,52.85 v1(149.79,54.36) 151.2,55.78
  In3.Cu w0.2: 181.5,82.25 181.5,80.74 155.12,54.36 v1(149.79,54.36) ; 181.5,82.25 181.5,112.27 175.85,117.92 46.78,117.92 36.22,128.48 29.52,128.48 v1(28.6,129.4) ; 181.5,82.25 181.5,82.15
